# Altium PCB LimeSDR-PCIe_1v2.PcbDoc (part 7 of 9)
Units mm, origin at the board's own origin, x right, y up, seen from the top; angles counter-clockwise.
Board outline 136.85 x 68.9 mm, 12 copper layers (Top, L2, L3, L4, L5, L6, L7, L8, L9, L10, L11, Bottom), stack 1.638 mm thick; 821 components, 532 nets, 3803 pads, 1799 vias.
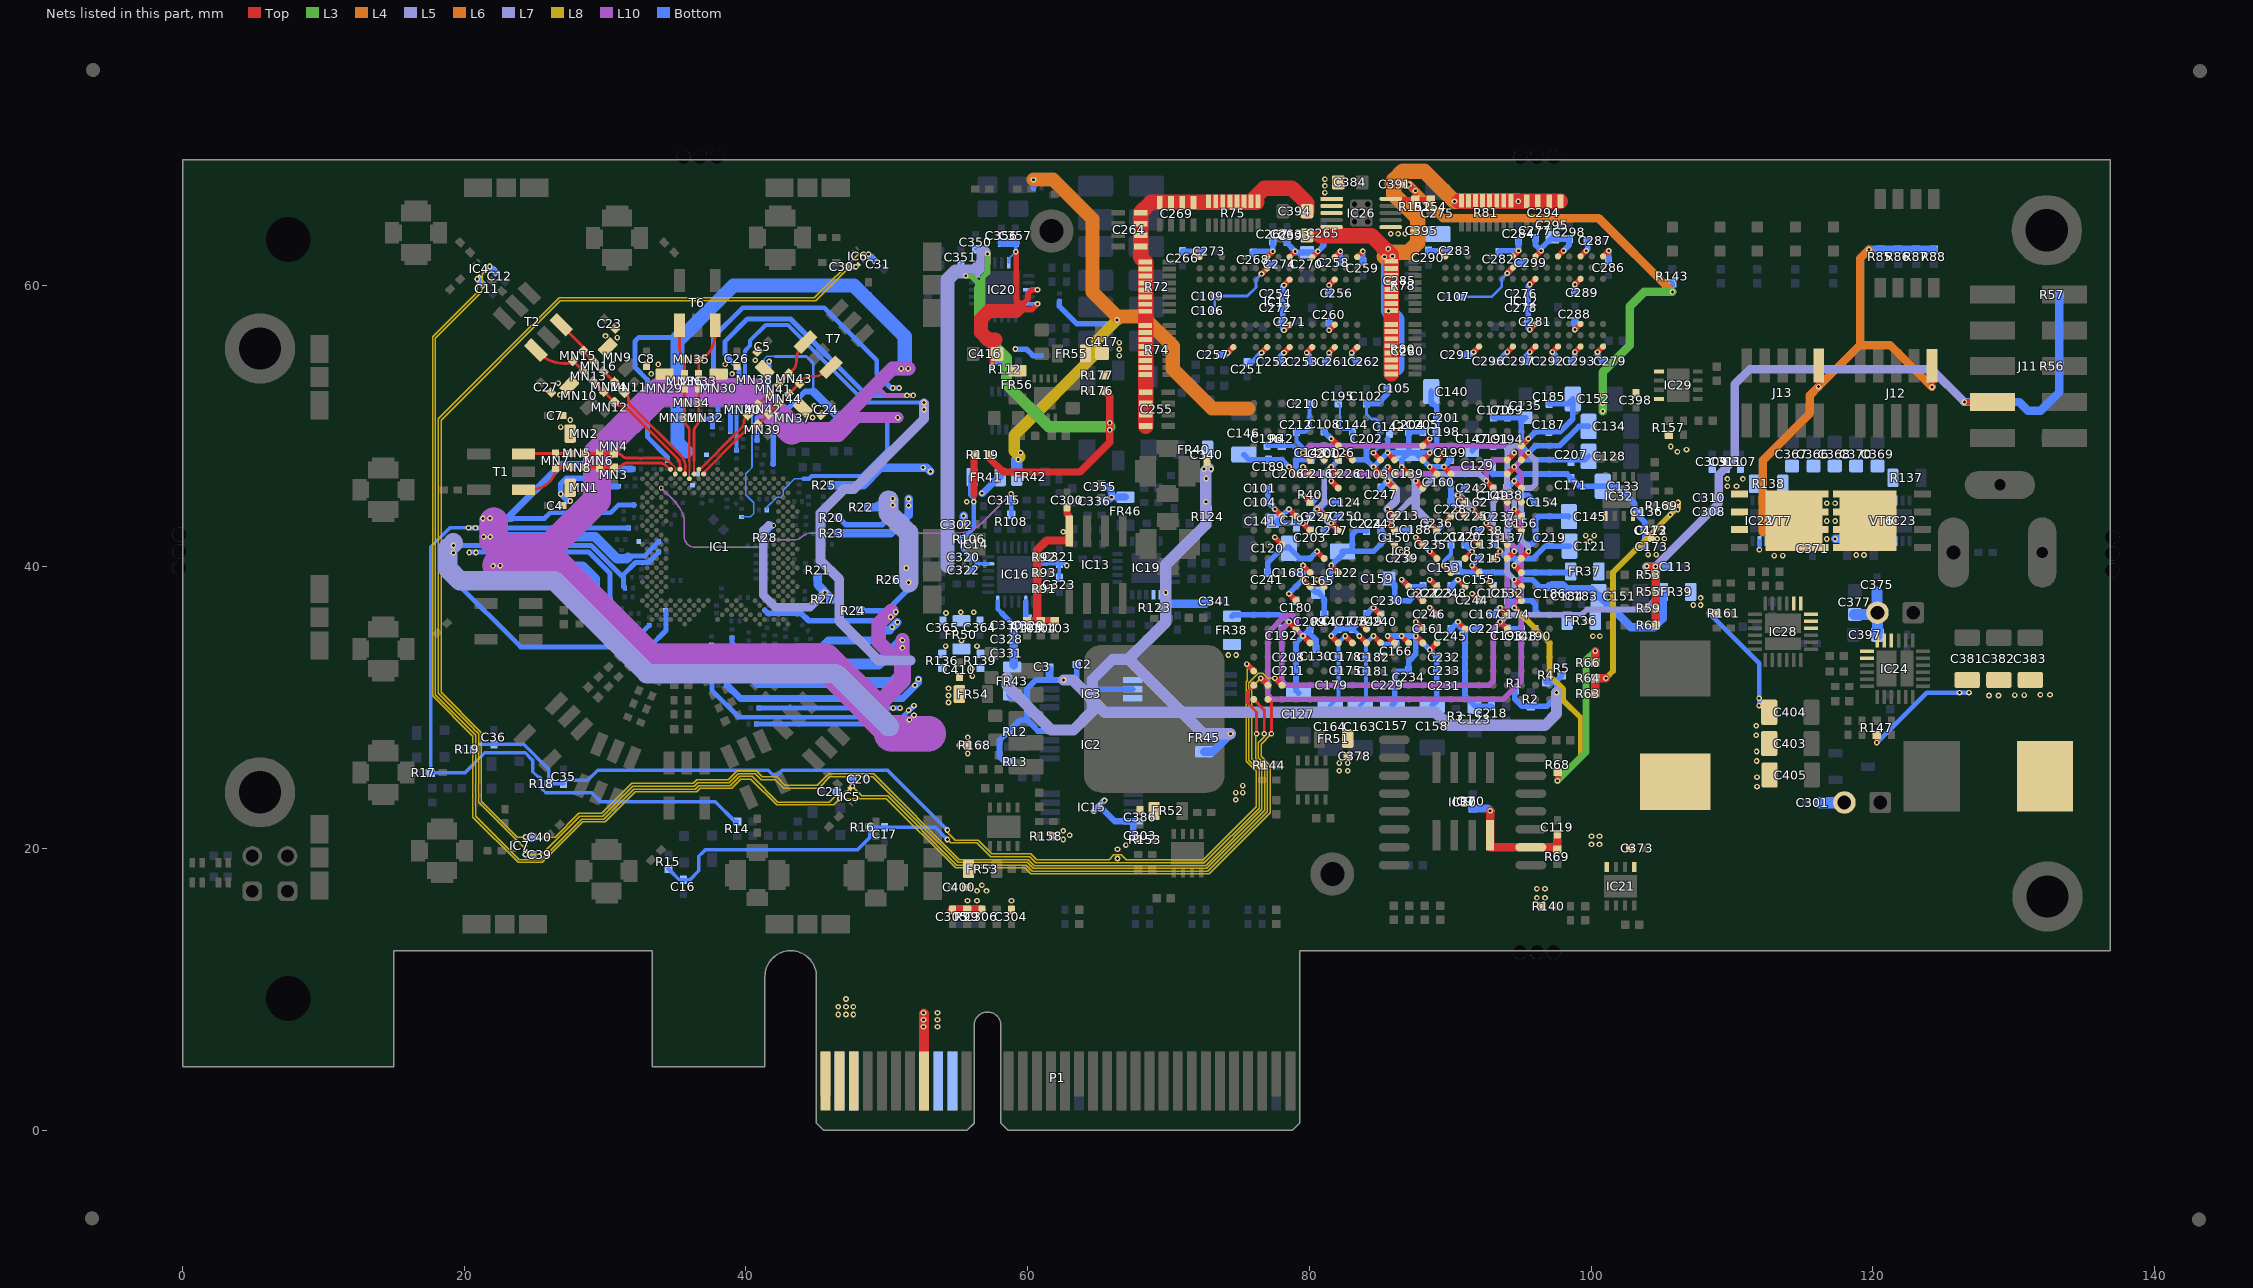
[diagram p17: the nets of this part, all layers, seen from the top]

## Via types
v1: diameter 0.4, hole 0.2, Top to Bottom, tented both sides, 1691 vias
v2: diameter 0.35, hole 0.2, Top to Bottom, tented top, 87 vias
v3: diameter 0.5, hole 0.2, Top to Bottom, tented both sides, 20 vias
v4: diameter 0.4, hole 0.2, Top to Bottom, tented top, 1 vias

## Nets (pads, with @x,y where several pads share a name; then routed paths per layer and width w, separated by ;. In a path a pad name is that pad's centre, name@x,y a point inside that pad or via, vN(x,y) a via of type N, cw(c..) or ccw(c..) an arc to the next point about the centre after c; other vN are vias at no path point) (continued)
TX1_2_LB_H: C11.2 C21.2 IC4.4 IC5.6 IC8.A21 | length 115.8
  Top w0.2: IC8.A21@77.05,30.6 77.3,30.35 v1(77.3,28.15)
  L8 w0.1: v1(20.925,60.441) 20.925,59.5 17.75,56.325 17.75,30.842 20.617,27.975 20.617,22.23 23.822,19.025 25.55,19.025 28.425,21.9 29.999,21.9 32.124,24.025 36.491,24.025 36.741,24.275 38.983,24.275 39.633,24.925 40.35,24.925 42.175,23.1 46.216,23.1 v1(46.668,23.552) 49.968,23.552 54.895,18.625 59.8,18.625 60.225,18.2 72.875,18.2 77.225,22.55 77.225,25.891 76.575,26.541 76.575,27.425 v1(77.3,28.15)
  Bottom w0.4: v1(20.925,60.441) C11.2@21.275,60.091 ; C21.2@46.45,24.025 46.668,23.807 v1(46.668,23.552)
TX1_2_LB_L: C12.2 C20.2 IC4.6 IC5.4 IC8.A22 | length 116.9
  Top w0.2: IC8.A22@76.05,30.6 76.8,29.85 v1(76.8,28.15)
  L8 w0.1: v1(21.809,61.325) 21.275,60.791 21.275,59.567 17.95,56.242 17.95,30.925 20.3,28.575 20.817,28.058 20.817,22.313 23.905,19.225 25.467,19.225 28.342,22.1 29.916,22.1 32.041,24.225 36.408,24.225 36.658,24.475 38.9,24.475 39.55,25.125 40.433,25.125 42.258,23.3 45.9,23.3 46.502,23.902 46.813,23.902 46.815,23.9 47.016,23.9 v1(47.552,24.436) 48.236,23.752 50.051,23.752 54.978,18.825 59.883,18.825 60.308,18.4 72.792,18.4 77.025,22.633 77.025,25.808 76.375,26.458 76.375,27.525 76.8,27.95 v1(76.8,28.15)
  Bottom w0.4: v1(21.809,61.325) C12.2@22.159,60.975 ; v1(47.552,24.436) C20.2@47.552,24.931
TX1_2_LB_SH: C16.1 C17.1 IC8.B20 R15.2 R16.1 | length 59.6
  Top w0.4: v1(77.55,32.1) IC8.B20@78.05,31.6
  L8 w0.1: v1(54.3,20.65) 54.55,20.4 56.4,20.4 57.375,19.425 60.131,19.425 60.556,19 72.544,19 76.425,22.881 76.425,25.559 75.7,26.284 75.7,31.775 76.375,32.45 76.695,32.45 77.045,32.1 v1(77.55,32.1)
  Bottom w0.254: R15.2@34.499,18.556 35.255,17.8 C16.1@35.55,17.8 36.025,17.8 36.65,18.425 36.65,19.45 36.999,19.799 36.999,19.802 37.132,19.934 47.934,19.934 48.803,20.803 R16.1@48.803,21.523 53.427,21.523 v1(54.3,20.65)
TX2_2_LB_H: C30.2 C40.2 IC6.4 IC7.6 IC8.B21 | length 137.3
  Top w0.4: v1(76.55,32.1) IC8.B21@77.05,31.6
  L8 w0.1: v1(47.806,61.311) 47.361,61.311 44.945,58.895 26.82,58.895 18.35,50.425 18.35,31.108 21.217,28.241 21.217,23.358 23.75,20.825 v1(24.35,20.825) 26.45,20.825 28.125,22.5 29.75,22.5 31.875,24.625 36.242,24.625 36.492,24.875 38.734,24.875 39.384,25.525 40.733,25.525 41.158,25.1 42.168,25.1 42.768,24.5 45.067,24.5 45.867,25.3 49.068,25.3 55.143,19.225 60.049,19.225 60.474,18.8 72.626,18.8 76.625,22.799 76.625,25.642 75.9,26.367 75.9,31.45 v1(76.55,32.1)
  Bottom w0.4: v1(24.35,20.825) C40.2@24.845,20.825 ; C30.2@47.311,61.311 v1(47.806,61.311)
TX2_2_LB_L: C31.2 C39.2 IC6.6 IC7.4 IC8.B22 | length 139.5
  Top w0.2: IC8.B22@76.05,31.6 75.6,31.15 75.6,30.35 76.25,29.7 v1(76.25,28.15)
  L8 w0.1: v1(48.689,62.194) 47.962,62.194 44.862,59.095 26.737,59.095 18.15,50.508 18.15,31.025 20.675,28.5 20.675,28.483 21.017,28.141 21.017,23.275 24.35,19.942 v1(24.35,19.575) 25.483,19.575 28.208,22.3 29.833,22.3 31.958,24.425 36.325,24.425 36.575,24.675 38.817,24.675 39.467,25.325 40.65,25.325 41.075,24.9 42.085,24.9 42.685,24.3 45.15,24.3 45.95,25.1 48.986,25.1 55.061,19.025 59.966,19.025 60.391,18.6 72.709,18.6 76.825,22.716 76.825,25.725 76.175,26.375 76.175,28.075 v1(76.25,28.15)
  Bottom w0.4: v1(24.35,19.575) C39.2@24.845,19.575 ; v1(48.689,62.194) C31.2@49.039,61.844
TX2_2_LB_SH: C35.1 C36.1 IC8.C22 R18.1 R19.2 | length 73.5
  Top w0.4: v1(75.55,33.1) IC8.C22@76.05,32.6
  L8 w0.1: v1(54.3,21.325) 54.3,21.145 54.845,20.6 56.483,20.6 57.458,19.625 60.214,19.625 60.639,19.2 65.775,19.2 66.125,19.55 66.65,19.55 67,19.2 72.461,19.2 76.225,22.964 76.225,25.476 75.692,26.009 75.5,26.201 75.5,31.858 75.575,31.933 75.575,33.075 v1(75.55,33.1)
  Bottom w0.254: R19.2@20.702,27.048 21.054,27.4 C36.1@22.1,27.4 24.225,27.4 26.003,25.622 26.003,24.848 R18.1@26.004,24.85 ; R18.1@26.004,24.6 C35.1@27.05,24.6 ; C35.1@27.05,24.85 28.75,24.85 29.475,25.575 41.571,25.575 41.897,25.249 42.251,25.249 42.577,25.575 50.05,25.575 v1(54.3,21.325)
TXPLL_CLK: C315.2 IC1.E5 R108.1 | length 30.5
  L10 w0.1: v2(33.986,45.595) 34.967,44.614 cw(c33.378,43.025) 35.625,43.025 35.625,42.15 ccw(c36.375,42.15) 36.375,41.4 40.686,41.4 ccw(c40.686,42.339) 41.35,41.675 cw(c41.954,41.071) 41.954,41.925 43.467,41.925 ccw(c43.467,42.608) 43.95,42.125 cw(c44.614,41.461) 44.614,42.4 54.973,42.4 ccw(c54.973,44.94) 56.769,43.144 v1(58.825,45.2)
  Bottom w0.325: R108.1@58.825,43.712 v1(58.825,45.2)
TXRF1_1AB_N: IC1.A7 MN3.1 MN6.1 MN8.1 | length 6.4
  Top w0.2: MN8.1@28.53,47.052 29.58,47.052 30.23,47.052 MN3.1@30.63,47.052 30.819,47.052 ccw(c30.819,47.56) 31.178,47.201 31.211,47.234 cw(c31.57,46.874) 31.57,47.382 33.899,47.382 cw(c33.899,46.781) 34.324,47.206 34.569,46.962 34.617,46.962 IC1.A7@34.652,46.927
TXRF1_1AB_P: IC1.B8 MN4.1 MN5.2 MN6.2 | length 7.2
  Top w0.11: 34.757,47.289 34.907,47.139 cw(c34.717,46.95) 34.985,46.95 IC1.B8@34.985,46.594
  Top w0.2: MN5.2@28.53,48.052 29.58,48.052 MN4.1@30.63,48.052 30.819,48.052 cw(c30.819,47.544) 31.178,47.904 31.211,47.871 ccw(c31.57,48.23) 31.57,47.722 33.899,47.722 cw(c33.899,46.781) 34.564,47.447 34.714,47.297
TXRF1_1BB_N: MN7.1 MN8.2 T1.3 | length 4.2
  Top w0.2: T1.3@24.362,45.482 T1.3@24.819,45.482 ; T1.3@24.669,45.482 ccw(c24.669,47.464) 26.07,46.063 ccw(c25.08,47.052) MN7.1@26.48,47.052 MN8.2@27.53,47.052
TXRF1_1BB_P: MN5.1 MN7.2 T1.1 | length 3.5
  Top w0.2: T1.1@24.142,48.052 MN7.2@26.48,48.052 27.13,48.052 MN5.1@27.53,48.052 ; T1.1@24.22,48.022 cw(c24.292,47.95) T1.1@24.292,48.052
TXRF1_2AB_N: IC1.B10 MN11.1 MN14.2 MN16.2 | length 9.6
  Top w0.19: IC1.B10@35.651,46.594 ccw(c35.535,46.71) 35.699,46.71 35.699,47.094
  Top w0.2: MN16.2@29.891,53.887 MN14.2@30.633,53.145 31.093,52.685 31.375,52.402 31.51,52.268 cw(c31.15,51.909) 31.658,51.909 31.658,51.863 ccw(c32.166,51.863) 31.807,51.504 31.92,51.391 35.333,47.978 cw(c34.449,47.094) 35.699,47.094
TXRF1_2AB_P: IC1.A9 MN12.1 MN13.2 MN14.1 | length 9
  Top w0.2: MN13.2@29.183,53.18 MN14.1@29.926,52.438 30.386,51.978 30.802,51.561 ccw(c31.162,51.92) 31.162,51.412 31.207,51.412 cw(c31.207,50.904) 31.567,51.264 35.098,47.732 cw(c34.568,47.202) 35.318,47.202 IC1.A9@35.318,46.927
TXRF1_2BB_N: MN15.1 MN16.1 T2.4 | length 3.5
  Top w0.2: T2.4@26.881,57.185 28.398,55.669 cw(c28.294,55.565) 28.441,55.565 MN15.1@28.441,55.337 MN16.1@29.183,54.594
TXRF1_2BB_P: MN13.1 MN15.2 T2.6 | length 4
  Top w0.2: T2.6@25.085,55.389 25.28,55.195 ccw(c27.076,56.991) 25.293,55.182 ccw(c27.076,56.991) 25.338,55.138 ccw(c27.076,56.991) 27.076,54.451 27.302,54.451 ccw(c27.302,55.062) MN15.2@27.734,54.63 MN13.1@28.476,53.887
TXRF2_1AB_N: IC1.C11 MN31.1 MN34.1 MN36.1 | length 6.5
  Top w0.11: IC1.C11@35.984,46.261 35.984,46.766
  Top w0.14: 35.975,47.516 35.984,47.506 35.984,46.766
  Top w0.2: MN36.1@35.645,52.691 MN34.1@35.645,51.641 35.645,50.991 MN31.1@35.644,50.591 35.644,50.402 ccw(c36.152,50.402) 35.793,50.042 35.826,50.01 cw(c35.467,49.651) 35.975,49.651 35.975,47.516
TXRF2_1AB_P: IC1.B12 MN32.1 MN33.2 MN34.2 | length 6.2
  Top w0.14: 36.315,47.516 36.305,47.506 36.305,46.623 ccw(c36.346,46.623) IC1.B12@36.317,46.594
  Top w0.2: 36.315,47.516 36.315,49.651 cw(c36.823,49.651) 36.463,50.01 36.496,50.042 ccw(c36.137,50.402) 36.645,50.402 MN32.1@36.644,50.591 MN34.2@36.644,51.641 MN33.2@36.645,52.691
TXRF2_1BB_N: MN35.1 MN36.2 T6.3 | length 3.6
  Top w0.2: T6.3@35.274,57.151 35.274,55.634 ccw(c36.538,55.634) MN35.1@35.645,54.741 MN36.2@35.645,53.691
TXRF2_1BB_P: MN33.1 MN35.2 T6.1 | length 4
  Top w0.2: MN33.1@36.645,53.691 36.645,54.091 MN35.2@36.644,54.741 ccw(c36.644,55.451) 37.147,54.949 ccw(c35.534,56.561) 37.814,56.561 T6.1@37.814,57.151
TXRF2_2AB_N: IC1.B14 MN39.1 MN42.2 MN44.2 | length 7.4
  Top w0.2: IC1.B14@36.983,46.594 37.018,46.628 ccw(c36.859,46.786) 37.083,46.786 39.401,49.104 39.948,49.652 cw(c40.308,49.293) 40.308,49.801 40.354,49.801 ccw(c40.354,50.309) 40.713,49.949 MN39.1@40.847,50.083 MN42.2@41.589,50.826 MN44.2@42.332,51.568
TXRF2_2AB_P: IC1.A13 MN40.1 MN41.2 MN42.1 | length 7.4
  Top w0.2: IC1.A13@36.65,46.927 36.685,46.961 cw(c36.843,46.803) 36.843,47.027 39.161,49.345 39.708,49.892 ccw(c39.349,50.251) 39.857,50.251 39.857,50.297 cw(c40.365,50.297) 40.006,50.656 MN40.1@40.14,50.791 40.423,51.073 MN42.1@40.882,51.533 MN41.2@41.625,52.275
TXRF2_2BB_N: MN43.1 MN44.1 T7.4 | length 3.7
  Top w0.2: MN44.1@43.039,52.275 43.322,52.558 MN43.1@43.781,53.018 44.029,53.265 cw(c44.652,52.642) 44.652,53.523 44.745,53.523 ccw(c44.745,55.047) 45.822,53.97 T7.4@46.03,54.178
TXRF2_2BB_P: MN41.1 MN43.2 T7.6 | length 3.7
  Top w0.2: MN41.1@42.332,52.983 MN43.2@43.074,53.725 43.322,53.973 ccw(c42.699,54.596) 43.58,54.595 43.58,54.688 cw(c45.104,54.688) 44.026,55.766 T7.6@44.234,55.974
VCC1P2: C120.2 C121.2 C122.2 C123.2 C124.2 C125.1 C126.1 C213.1 C214.1 C215.1 C216.1 C217.1 C218.1 C219.1 C220.1 C221.1 C222.1 C223.1 C224.1 C225.1 C226.1 C227.1 C235.1 C236.1 C237.1 C238.1 C239.1 C240.1 C241.1 C242.1 C243.1 C244.1 C245.1 C246.1 C247.1 C248.1 C249.1 C250.1 C403.2 C404.2 C405.2 FR36.1 FR37.1 IC8.F7 IC8.G9 IC8.G13 IC8.H6 IC8.J5 IC8.J7 IC8.J9 IC8.J11 IC8.J17 IC8.K6 IC8.K8 IC8.K16 IC8.L5 IC8.L7 IC8.L9 IC8.L11 IC8.L17 IC8.M6 IC8.M10 IC8.M12 IC8.N5 IC8.N9 IC8.N16 IC8.P6 IC8.P8 IC8.P12 IC8.P17 IC8.R7 IC8.T10 IC8.T12 IC8.U16 L2.2 R161.1 | length 98.4
  Top w0.325: v1(108.375,36.7) R161.1@108.925,36.7
  Top w0.4: v1(80.55,39.1) IC8.J17@81.05,38.6 ; v1(80.55,41.1) IC8.L17@81.05,40.6 ; v1(80.55,44.1) IC8.P17@81.05,43.6 ; v1(81.55,40.1) IC8.K16@82.05,39.6 ; v1(81.55,43.1) IC8.N16@82.05,42.6 ; v1(81.55,47.1) IC8.U16@82.05,46.6 ; v1(84.55,37.1) IC8.G13@85.05,36.6 ; v1(85.55,42.1) IC8.M12@86.05,41.6 ; v1(85.55,44.1) IC8.P12@86.05,43.6 ; v1(85.55,46.1) IC8.T12@86.05,45.6 ; v1(86.55,39.1) IC8.J11@87.05,38.6 ; v1(86.55,41.1) IC8.L11@87.05,40.6 ; v1(87.55,42.1) IC8.M10@88.05,41.6 ; v1(87.55,46.1) IC8.T10@88.05,45.6 ; v1(88.55,37.1) IC8.G9@89.05,36.6 ; v1(88.55,39.1) IC8.J9@89.05,38.6 ; v1(88.55,41.1) IC8.L9@89.05,40.6 ; v1(88.55,43.1) IC8.N9@89.05,42.6 ; v1(89.55,40.1) IC8.K8@90.05,39.6 ; v1(89.55,43.1) IC8.P8@90.05,43.6 ; v1(90.55,36.1) IC8.F7@91.05,35.6 ; v1(90.55,39.1) IC8.J7@91.05,38.6 ; v1(90.55,45.1) IC8.R7@91.05,44.6 ; IC8.L7@91.05,40.6 v1(91.55,41.1) ; v1(91.55,38.1) IC8.H6@92.05,37.6 ; v1(91.55,40.1) IC8.K6@92.05,39.6 ; v1(91.55,42.1) IC8.M6@92.05,41.6 ; v1(91.55,44.1) IC8.P6@92.05,43.6 ; v1(92.55,39.1) IC8.J5@93.05,38.6 ; v1(92.55,43.1) IC8.N5@93.05,42.6 ; IC8.L5@93.05,40.6 v1(93.55,41.1)
  L5 w0.4: v1(80.55,44.1) 81.05,44.6 81.05,46.6 v1(81.55,47.1)
  L5 w0.6: v1(80.55,44.1) v1(81.55,43.1) ; v1(85.55,44.1) 86.15,44.7 86.15,45.5 v1(85.55,46.1) ; v1(87.55,46.1) 87.55,44.1 v1(88.55,43.1) ; v1(90.55,45.1) v1(91.55,44.1)
  Bottom w0.3: v1(89.55,40.1) 89.55,40.425 90.05,40.925 C214.1@90.05,41.6
  Bottom w0.325: v1(108.375,36.7) 111.925,33.15 v1(111.925,30.15)
  Bottom w0.4: C241.1@77.025,39.6 77.05,39.625 77.05,40.307 78.118,41.375 78.55,41.375 79.325,40.6 80.042,40.6 80.067,40.625 80.075,40.625 v1(80.55,41.1) ; C227.1@80.05,43.55 80.55,44.05 v1(80.55,44.1) 80.7,44.1 81.2,44.6 C124.2@82.05,44.6 ; v1(80.55,39.1) 81.35,39.1 81.55,39.3 v1(81.55,40.1) 82.35,40.9 C122.2@82.35,41.1 82.375,41.125 84.575,41.125 v1(85.55,42.1) C243.1@85.075,42.575 ; C216.1@81.05,46.6 v1(81.55,47.1) ; C217.1@81.075,42.575 81.55,43.05 v1(81.55,43.1) 82.05,43.6 C250.1@82.1,43.6 ; C226.1@82.05,46.6 81.575,47.075 81.575,47.1 C126.1@82.075,47.6 ; C122.2@83.05,41.325 83.05,42.307 83.343,42.6 84.05,42.6 C224.1@84.05,42.55 ; C249.1@84.075,36.65 84.525,37.1 v1(84.55,37.1) 85.05,36.6 C240.1@85.075,36.6 ; C247.1@85.075,45.625 v1(85.55,46.1) 86.05,46.6 87.05,46.6 v1(87.55,46.1) ; v1(85.55,44.1) 86.025,43.625 C213.1@86.125,43.625 ; v1(86.55,39.1) 87.05,38.6 88.074,38.6 C222.1@88.074,38.625 ; v1(86.55,41.1) 87.05,40.6 C239.1@87.075,40.6 ; v1(87.55,42.1) v1(88.55,41.1) ; v1(88.55,37.1) 88.975,36.675 C246.1@88.975,36.625 ; v1(88.55,39.1) C223.1@89.025,38.625 ; v1(88.55,43.1) 89.05,42.6 v1(89.55,43.1) ; C245.1@90.05,35.575 90.05,35.6 v1(90.55,36.1) 90.55,35.882 91.05,35.382 ; C248.1@90.05,38.625 90.525,39.1 v1(90.55,39.1) ; v1(90.55,45.1) 91.025,45.575 C242.1@91.075,45.575 ; C220.1@91.05,41.625 91.05,41.6 v1(91.55,41.1) ; v1(91.55,40.1) C215.1@92.05,40.6 ; v1(91.55,42.1) 91.6,42.1 C238.1@92.075,42.575 ; v1(91.55,44.1) 92.025,43.625 C225.1@92.025,43.6 ; v1@91.575,38.1 C244.1@92.05,37.625 ; C221.1@92.025,35.625 92.025,35.6 91.268,35.6 91.05,35.382 ; v1(92.55,39.1) 92.6,39.1 C125.1@93.075,38.625 ; v1(92.55,43.1) C237.1@93.025,43.575 ; C218.1@92.925,30.1 91.8,30.1 91.05,30.85 91.05,35.382 ; v1(93.55,41.1) 94.05,40.6 95.875,40.6 96.75,41.475 C121.2@98.475,41.475
  other v1: 111.775,24.4 111.775,25.075 111.75,26.225 111.75,26.9 111.725,28.05 111.725,28.725 111.925,30.675 100.125,35.075 100.625,35.075 99.675,36.125 99.925,41.8 99.625,42.225 100.225,42.225
VCC1P2D_FPGA: C127.2 C128.2 C129.2 C130.2 C131.1 C132.1 C207.1 C208.1 C209.1 C210.1 C211.1 C212.1 FR36.2 IC8.E18 IC8.G3 IC8.M4 IC8.R4 IC8.U4 IC8.V18 | length 95.6
  Top w0.4: v1(79.55,35.1) IC8.E18@80.05,34.6 ; v1(79.55,48.1) IC8.V18@80.05,47.6 ; v1(93.55,42.1) IC8.M4@94.05,41.6 ; v1(93.55,45.1) IC8.R4@94.05,44.6 ; IC8.U4@94.05,46.6 v1(94.55,47.1) ; v1(94.55,37.1) IC8.G3@95.05,36.6
  L5 w0.4: v1(93.55,42.1) 93.05,42.6 93.05,44.6 v1(93.55,45.1) 94.05,45.6 94.05,46.6 v1(94.55,47.1)
  L10 w0.4: v1(79.55,35.1) 79.05,35.6 79.05,36.307 78.757,36.6 78.343,36.6 77.05,35.307 77.05,30.893 77.343,30.6 93.757,30.6 95.05,31.893 95.05,36.6 v1(94.55,37.1) 94.55,37.393 95.05,37.893 95.05,46.6 v1(94.55,47.1) 95.05,47.6 95.05,48.307 94.757,48.6 80.05,48.6 v1(79.55,48.1)
  Bottom w0.3: v1(79.55,48.1) 79.55,48.464 79.075,48.939 C212.1@79.075,49.6 79.686,49.6 80,49.914 80,51.5 C210.1@80.075,51.575
  Bottom w0.4: C127.2@79.225,31.05 79.05,31.225 79.05,34.6 v1(79.55,35.1) ; C209.1@80.075,35.625 v1(79.55,35.1) ; C130.2@80.475,34.15 80.475,34.825 79.875,35.425 v1(79.55,35.1) ; C129.2@92.675,46.975 93.05,46.6 94.05,46.6 v1(94.55,47.1) 95.05,47.6 99.575,47.6 C128.2@99.825,47.85 ; C131.1@93.1,41.65 v1(93.55,42.1) ; C132.1@94.075,37.625 C132.1@94.075,37.6 ; v1(94.55,37.1) 94.075,37.575 C132.1@94.075,37.6 ; FR36.2@98.1,36.6 96.343,36.6 96.05,36.893 96.05,37.307 95.757,37.6 95.725,37.6 C132.1@94.075,37.6
VCC1P2L_FPGA: C133.2 C134.2 C135.2 C136.2 C137.2 C138.1 C169.1 C170.1 C171.1 C172.1 C173.1 FR37.2 IC8.K3 IC8.L3 IC8.N3 IC8.T3 IC8.V3 | length 43.2
  Top w0.4: v1(94.55,40.1) IC8.K3@95.05,39.6 ; v1(94.55,43.1) IC8.N3@95.05,42.6 ; v1(94.55,46.1) IC8.T3@95.05,45.6 ; IC8.L3@95.05,40.6 v1(95.55,41.1) ; IC8.V3@95.05,47.6 v1(95.55,48.1)
  L7 w0.4: v1(94.55,40.1) v1(95.55,41.1) 95.55,41.393 95.05,41.893 95.05,42.6 v1(94.55,43.1) 94.55,43.393 95.05,43.893 95.05,45.6 ; v1(94.55,46.1) 95.05,45.6 ; v1(95.55,48.1) 96.05,47.6 96.05,45.893 95.757,45.6 95.05,45.6
  Bottom w0.4: C170.1@93.075,50.625 93.075,50.6 94.025,50.6 C135.2@95.35,50.6 95.05,50.3 95.05,48.6 v1(95.55,48.1) 96.05,48.6 97.757,48.6 99.132,49.975 C134.2@99.825,49.975 ; C138.1@94,45.6 94.05,45.6 v1(94.55,46.1) 95.05,46.6 98.3,46.6 99.175,45.725 C133.2@100.825,45.725 101.875,45.725 103.1,44.5 103.1,43.9 103.798,43.203 C172.1@103.798,42.586 C173.1@103.798,41.439 ; C137.2@94.075,42.575 94.075,42.625 v1(94.55,43.1) ; v1(94.55,40.1) 95.05,39.6 98.525,39.6 FR37.2@98.55,39.625
VCC1P4_LMS: FR16.1 FR17.2 FR24.2 FR33.2 FR34.2 FR35.2 R153.1 | length 140.6
  L5 w0.7: 51.7,33.35 49.45,33.35 46.625,36.175 46.625,39.131 45.3,40.456 45.3,43.819 47.006,45.525 47.675,45.525 52.65,50.5 v1(52.65,51.175) v1@52.65,51.6
  L5 w1.4: v1@19.225,41.7 18.825,41.3 18.825,39.875 19.675,39.025 26.375,39.025 32.975,32.425 46.375,32.425 50.15,28.65
  Bottom w0.3: FR17.2@39.324,48.261 39.324,51.124 39.925,51.725 39.925,55.35 40.292,55.717 40.292,56.067 41.4,57.175 42.985,57.175 48.485,51.675 v1(52.65,51.675)
  Bottom w0.35: FR34.2@31.25,39.35 31.319,39.419 31.319,39.469 32.161,40.311 33.076,40.311 FR16.1@33.815,41.05 ; FR35.2@31.394,38.506 31.319,38.581 31.319,39.281 31.249,39.281 29.011,41.519 v1(19.231,41.519) v1(19.231,41) 19.231,39.094 24,34.325 33.165,34.325 34.324,35.484 FR33.2@34.324,36.881
  Bottom w0.4: v1(52.65,51.175) v1(52.65,51.675)
  Bottom w0.5: FR24.2@38.667,31.593 39.61,30.65 51.1,30.65 52.253,31.803 v1(52.253,32.027)
  other v1: 66.375,19.3 66.375,19.95 66.975,20.25 52,31.6
VCC1P8: C139.2 C140.2 C141.2 C142.2 C143.2 C144.1 C195.1 C196.1 C197.1 C198.1 C199.1 C200.1 C201.1 C202.1 C203.1 C204.1 C205.1 C206.1 FR42.1 FR47.1 FR48.1 IC8.N18 IC8.P19 IC8.R18 IC8.U8 IC8.U9 IC8.U11 IC8.U13 IC8.V10 IC8.V12 IC8.V15 IC8.V16 IC8.V17 R40.2 R42.2 R63.1 R64.1 R169.1 | length 108
  Top w0.4: v1(78.55,44.1) IC8.P19@79.05,43.6 ; v1(79.55,43.1) IC8.N18@80.05,42.6 ; v1(79.55,45.1) IC8.R18@80.05,44.6 ; v1(80.55,48.1) IC8.V17@81.05,47.6 ; v1(81.55,48.1) IC8.V16@82.05,47.6 ; v1(82.55,48.1) IC8.V15@83.05,47.6 ; v1(84.55,47.1) IC8.U13@85.05,46.6 ; v1(85.55,48.1) IC8.V12@86.05,47.6 ; v1(86.55,47.1) IC8.U11@87.05,46.6 ; IC8.V10@88.05,47.6 v1(88.55,48.1) ; v1(88.55,47.1) IC8.U9@89.05,46.6 ; v1(89.55,47.1) IC8.U8@90.05,46.6
  Top w0.6: R63.1@100.3,31 R64.1@100.3,32.1 v1(101.05,32.1)
  L8 w0.4: v1(101.05,32.1) 101.55,32.6 101.55,39.625 106.175,44.25 v1(106.175,44.575)
  L8 w0.8: 59.45,47.825 59.05,48.225 59.05,49.35 64.85,55.15 64.85,56.025 v1(66.35,57.525)
  L6 w1: v1(60.418,67.493) 61.807,67.493 64.6,64.7 64.6,59.525 66.35,57.775 68.2,57.775 70.3,55.675 70.3,54.05 73.1,51.25 75.675,51.25
  Bottom w0.14: C195.1@82.175,51.475 82.175,49.945 82.395,49.725 C144.1@82.925,49.725
  Bottom w0.15: C195.1@82.05,51.6 C195.1@82.175,51.475 ; C144.1@82.925,49.725 C144.1@83.05,49.6
  Bottom w0.3: C196.1@77,48.6 R42.2@78.05,48.6 ; R42.2@78.025,48.6 78.8,48.6 79.075,48.325 79.075,47.6 ; v1(82.55,48.1) 83.05,48.6 C144.1@83.05,49.6
  Bottom w0.4: FR48.1@60.418,66.899 v1(60.418,67.493) ; FR47.1@62.251,58.843 62.251,58.499 63.475,57.275 66.1,57.275 v1(66.35,57.525) ; C141.2@77.4,43.1 C141.2@77.55,43.1 ; v1@78.55,44.125 v1(78.55,44.1) C141.2@77.55,43.1 ; C206.1@79.05,46.6 79.05,47.575 79.075,47.6 C143.2@80.1,47.6 v1@80.6,48.1 ; v1(79.55,45.1) 80.025,44.625 R40.2@80.075,44.625 80.25,44.625 80.55,44.925 v1(80.55,45.1) ; C203.1@80.075,42.575 v1(79.55,43.1) C141.2@77.55,43.1 ; v1(80.55,48.1) v1@80.6,48.1 ; v1(81.55,48.1) 81.1,48.55 C200.1@81.05,48.55 v1@80.6,48.1 ; v1(82.55,48.1) 83.05,47.6 84.05,47.6 ; C202.1@84.075,48.6 84.05,48.575 84.05,47.6 ; 85.525,49.075 85.55,49.05 v1(85.55,48.1) ; v1(86.55,47.1) 86.55,47.6 C139.2@87.05,48.1 ; C139.2@87.05,48.15 C204.1@87.05,49.6 C205.1@88.05,49.6 ; C140.2@88.65,52.45 88.65,51.6 88.757,51.6 89.05,51.307 89.05,48.6 v1(88.55,48.1) C139.2@87.55,48.1 ; C199.1@90,47.6 90,47.55 v1(89.55,47.1) v1(88.55,47.1) C139.2@87.55,48.1 ; 84.05,47.6 v1(84.55,47.1) v1(85.55,48.1) ; v1(85.55,48.1) C139.2@87,48.1 C139.2@87.05,48.1 ; C139.2@87.05,48.1 C139.2@87.55,48.1
  Bottom w0.8: FR42.1@59.225,46.75 v1@59.225,47.625
  other v1: 105.625,43.7 106.15,44.075 59.325,47.625 59.5,48.1
VCC1P8_DDR2: C251.1 C252.1 C253.1 C254.1 C256.1 C257.1 C258.1 C259.1 C260.1 C261.1 C262.1 C263.1 C265.1 C266.1 C267.1 C268.1 C270.2 C271.2 C272.2 C273.1 C275.2 C276.1 C277.1 C278.1 C279.1 C281.1 C282.1 C283.1 C284.1 C286.1 C287.1 C288.1 C289.1 C290.1 C291.1 C292.1 C293.1 C295.2 C296.2 C297.2 C298.1 C384.2 IC11.A1 IC11.A9 IC11.C1 IC11.C3 IC11.C7 IC11.C9 IC11.E1 IC11.E9 IC11.G1 IC11.G3 IC11.G7 IC11.G9 IC11.J1 IC11.J9 IC11.M9 IC11.R1 IC12.A1 IC12.A9 IC12.C1 IC12.C3 IC12.C7 IC12.C9 IC12.E1 IC12.E9 IC12.G1 IC12.G3 IC12.G7 IC12.G9 IC12.J1 IC12.J9 IC12.M9 IC12.R1 IC26.1 IC26.2 R157.1 | length 54.8